# Allegro board AB9.brd (continued)
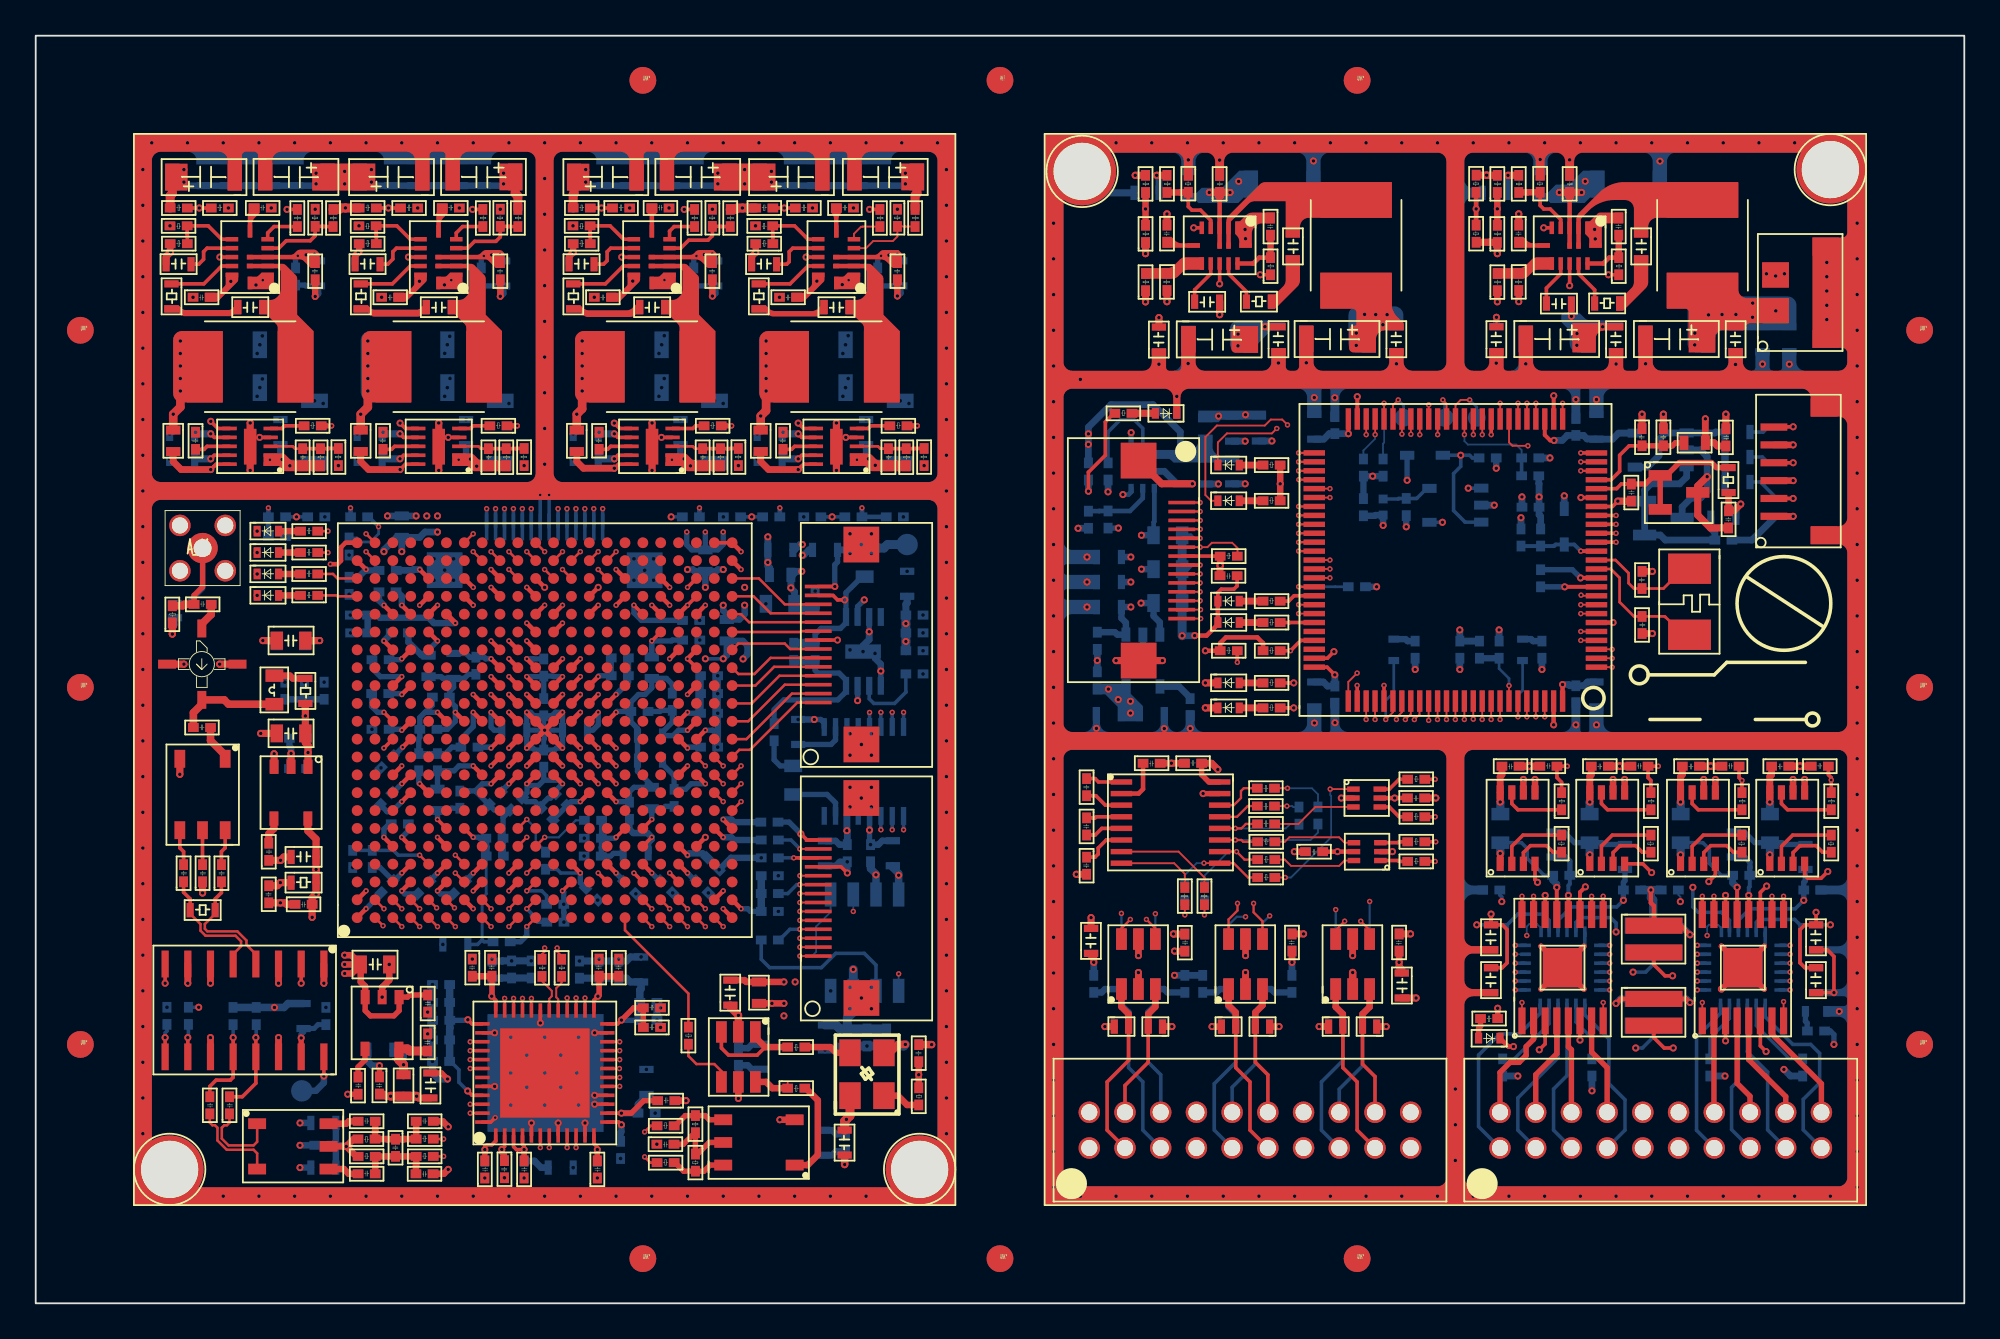
[diagram p0: board, top side]
## Routing (per net, layer and track width the routed paths; a pad name or vN(x,y) marks a point on that pad's centre or on a via; arc(x,y) is an arc through that point) (continued)
B_N7119824: length 2
  TOP w0.2: B_U6.1 59.52,29.2 59.33,29.39 B_C39.1
B_N7119928: length 2
  TOP w0.2: B_U6.4 59.39,27.25 59.33,27.19 B_C41.1
B_N7119940: length 2.8
  TOP w0.25: B_C29.1 62.01,28.8 61.76,28.55 B_U6.2
B_N7119964: length 2.2
  TOP w0.2: B_U6.3 59.9,27.9 59.37,28.43 B_C39.2
B_N7119992: length 2.5
  TOP w0.2: B_U6.6 59.95,25.95 59.5,25.5 59.5,25.16 59.33,24.99 B_C43.1
B_N7120000: length 2.1
  TOP w0.2: B_U6.5 59.7,26.6 59.33,26.23 B_C41.2
B_N7132397: length 2.7
  TOP w0.127: B_R31.1 67.65,28.85 67.49,28.69 67.49,28.3 67.09,27.9 B_U6.14
B_N7132401: length 5.8
  TOP w0.1: B_R49.1 65.45,23.85 64,25.3 B_U6.7
B_N7132405: length 2.4
  TOP w0.127: B_U6.13 67.27,27.25 67.87,27.85 B_R36.1
B_N7132409: length 4.6
  TOP w0.1: B_U6.8 63.75,24.65 64.35,24.05 B_R48.1
B_N7303093: length 7.5
  TOP w0.127: B_U6.11 v1(67.18,25.95) 67.52,25.95 67.62,25.85 B_R39.2
  BOTTOM w0.1: B_R71.2 71.81,26.37 71.39,25.95 v1(67.18,25.95)
B_N7303131: length 5.1
  TOP w0.127: B_R45.2 67.69,24.85 v1(67.25,25.3) B_U6.10
  BOTTOM w0.1: B_R75.2 65.46,23.97 66.8,25.3 v1(67.25,25.3)
B_N7303158: length 5.9
  TOP w0.127: B_U6.12 v1(67.18,26.6) 67.52,26.6 67.77,26.85 B_R38.2
  BOTTOM w0.1: v1(67.18,26.6) 70,26.6 70.24,26.84 B_R72.1
B_N7303185: length 5.2
  TOP w0.1: B_U6.9 66.3,24.65 v1(65.42,24.65)
  TOP w0.127: B_R47.2 67.89,23.85 67.09,24.65 B_U6.9
  BOTTOM w0.1: B_R76.1 64.34,23.99 65.01,24.65 v1(65.42,24.65)
B_N7362382: length 1.3
  TOP w0.4: B_R19.1 B_D1.2
B_N7767499: length 2.9
  TOP w0.1: v1(80.3,50.6) 79.8,50.6 79.51,50.31 B_U4.38
  BOTTOM w0.15: v1(80.3,50.6) 80.7,50.2 B_TP5.1
B_N7936310: length 1.3
  TOP w0.38: B_R25.2 B_D5.2
B_N7936621: length 1.3
  TOP w0.38: B_R24.2 B_D4.2
B_N7936920: length 1.3
  TOP w0.38: B_D6.2 B_R28.2
B_N7937230: length 1.3
  TOP w0.38: B_D7.2 B_R29.2
B_N8000304: length 2.3
  TOP w0.1: v1(76.3,50.6) 76.01,50.31 B_U4.45
  BOTTOM w0.15: B_TP6.1 76.6,50.3 v1(76.3,50.6)
B_N8000357: length 2.2
  TOP w0.1: v1(78.8,50.6) 79.01,50.39 B_U4.39
  BOTTOM w0.15: B_TP7.1 78.9,50.5 v1(78.8,50.6)
B_N8196940: length 4
  TOP w0.2: B_R3.2 64.55,61.43 64.75,61.23 65.23,61.23 65.8,60.66 B_U1.4
  TOP w0.36: B_R3.2 64.12,62.23 64.11,62.22 B_R2.1
B_N8196944: length 10.1
  TOP w0.2: 62.15,62.31 B_R1.1 ; B_U1.9 v2(66.3,57.1) ; 62.15,60.37 B_R8.2
  TOP w0.36: B_R1.1 v2(62.15,61.3) B_R8.2
  SIGNAL-L3 w0.2: v2(66.3,57.1) 64.37,57.1 63.5,57.97 63.5,59.06 62.15,60.41 v2(62.15,61.3)
B_N8196950: length 3.2
  TOP w0.25: B_U1.11 68.18,58.24 68.51,58.57 B_R11.2
  TOP w0.36: B_C3.2 B_R11.2
B_N8196956: length 7.7
  TOP w0.2: B_R11.1 v2(68.57,57.61) ; v2(64.85,60.24) B_U1.5
  SIGNAL-L4 w0.2: v2(68.57,57.61) 65.19,57.61 64.25,58.56 64.25,59.64 v2(64.85,60.24)
B_N8197004: length 2.6
  TOP w0.2: B_U1.10 66.8,57.66 67.8,56.66 B_R17.1
B_N8197022: length 2.5
  TOP w0.2: B_C9.2 64.9,56.76 65.8,57.66 B_U1.8
B_N8197074: length 2.6
  TOP w0.2: B_R18.1 87.3,56.76 86.4,57.66 B_U2.10
B_N8197146: length 3.9
  TOP w0.2: B_R7.2 84.25,61.49 84.45,61.29 84.81,61.29 85.4,60.7 B_U2.4
  TOP w0.36: B_R6.1 83.53,62.22 83.54,62.23 B_R7.2
B_N8197148: length 10.1
  TOP w0.2: B_U2.9 v2(85.9,57)
  TOP w0.36: B_R10.2 v2(81.85,61.3) B_R5.1
  SIGNAL-L3 w0.2: v2(81.85,61.3) 81.85,60.81 83.41,59.25 83.41,57.65 84.06,57 v2(85.9,57)
B_N8197154: length 2.6
  TOP w0.2: B_C10.2 84.6,56.86 85.4,57.66 B_U2.8
B_N8197176: length 3.1
  TOP w0.25: B_U2.11 87.78,58.24 88.11,58.57 B_R12.2
  TOP w0.36: B_C4.2 B_R12.2
B_N8197194: length 7.5
  TOP w0.2: v2(84.45,60.24) B_U2.5 ; B_R12.1 v2(88.07,57.61)
  SIGNAL-L4 w0.2: v2(88.07,57.61) 84.63,57.61 84.1,58.14 84.1,59.89 v2(84.45,60.24)
B_N8449814: length 5.6
  BOTTOM w0.2: B_U18.5 61.99,49.01 61.52,49.48 60.73,49.48 60.05,48.8 B_R58.2
B_N8449940: length 3.9
  BOTTOM w0.26: B_U18.2 61.99,45.09 61.28,44.38 B_R63.1 59.57,44.38 59.56,44.37 B_R64.2
B_N8934237: length 1.1
  BOTTOM w0.3: B_R83.1 99.2,15.27 99.2,15.7 99.11,15.8 B_D19.2
B_N9041352: length 1.1
  TOP w0.3: B_D14.2 80.8,15.4 80.91,15.51 B_R52.1
B_N9050029: length 1.6
  TOP w0.2: B_U11.3 76.3,25.8 76.35,25.85 B_R40.2
B_N9050033: length 4.7
  TOP w0.1: B_R39.1 69.95,25.85 70.2,26.1 72.99,26.1 73.29,25.8 B_U11.4
B_N9050041: length 1.6
  TOP w0.2: B_R46.2 76.35,24.75 76.3,24.8 B_U11.1
B_N9050045: length 4.7
  TOP w0.1: B_U11.6 73.29,24.8 72.99,24.5 70.3,24.5 69.95,24.85 B_R45.1
B_N9050708: length 1.8
  TOP w0.2: B_R37.2 76.35,27.25 75.8,27.8 B_U5.4
B_N9050712: length 4.8
  TOP w0.1: B_R38.1 70.71,26.85 71.66,27.8 B_U5.3
B_N9050720: length 1.8
  TOP w0.2: B_R30.2 76.35,29.35 75.8,28.8 B_U5.6
B_N9050724: length 8.1
  TOP w0.1: v1(72.49,28.8) B_U5.1 ; B_R47.1 v1(69.97,23.85)
  BOTTOM w0.1: v1(72.49,28.8) 72.49,28.47 72.54,28.42 72.54,26.1 70.3,23.85 v1(69.97,23.85)
B_NFAULT12: length 70.7
  TOP w0.1: v1(69.5,49) 69.22,48.72 66.71,48.72 66.2,48.22 B_D2.1 ; B_U15.8 v1(87.78,16.85) ; v1(74.51,48.66) B_U4.48
  SIGNAL-L8 w0.1: v1(87.78,16.85) 84.65,16.85 83.7,15.9 79.4,15.9 78.7,16.6 78.7,24.1 80.6,26 80.6,29.8 79.39,31.01 69.88,31.01 68.29,32.59 68.29,36.95 69.4,38.06 73.32,38.06 74.2,38.94 74.2,46.84 74.51,47.15 v1(74.51,48.66) 73.8,49.36 71.68,49.36 70.99,48.67 69.83,48.67 v1(69.5,49)
B_NFAULT34: length 74.4
  TOP w0.1: v1(70.1,49.2) 69.8,49.5 69.17,49.5 68.83,49.16 66.15,49.16 65.5,48.52 65.5,45.27 65.82,44.95 B_D3.1 ; B_U4.41 v1(78.01,50.32) ; B_U16.8 v1(97.88,16.9)
  SIGNAL-L8 w0.1: v1(97.88,16.9) 98.64,16.9 99.32,17.57 99.32,20.49 98.49,21.33 98.49,23.16 99.04,23.71 99.04,27.53 96.89,29.68 96.89,45.45 95.57,46.76 93.44,46.76 92.51,47.69 92.51,49.82 90.95,51.38 78.56,51.38 78.01,50.83 v1(78.01,50.32) 78.01,49.98 77.62,49.6 75.08,49.6 74.68,50 71.47,50 70.67,49.2 v1(70.1,49.2)
B_NRST_MCU: length 27.3
  TOP w0.1: B_J3.9 v1(65.21,40.85)
  TOP w0.22: B_U4.14 v1(86.53,42.13)
  SIGNAL-L4 w0.1: v1(65.21,40.85) 70.82,40.85 72.1,42.13 v1(86.53,42.13)
  BOTTOM w0.22: v1(86.53,42.13) 86.16,42.5 B_D16.2 85.11,42.5 85.05,42.44 85.03,42.44 85.01,42.41 B_R65.2 B_C84.2
B_NSLEEP12: length 56
  TOP w0.1: B_U4.47 v1(75.01,48.66) ; B_U15.1 v1(83.23,16.85)
  SIGNAL-L8 w0.1: v1(75.01,48.66) 75.01,47.9 76.08,46.83 76.08,38.62 74.98,37.52 69.97,37.52 69.06,36.61 69.06,33.14 70.58,31.61 79.69,31.61 81.2,30.1 81.2,25.67 79.4,23.87 79.4,17.8 80.12,17.08 83,17.08 v1(83.23,16.85)
  BOTTOM w0.1: v1(75.01,48.66) 75.01,48.42 74.35,47.77 B_R57.1
B_NSLEEP34: length 69.8
  TOP w0.1: v1(75.51,50.41) 75.51,50.36 B_U4.46 ; B_U16.1 v1(93.33,16.85)
  SIGNAL-L8 w0.1: v1(75.51,50.41) 75.51,50.94 76.43,51.86 91.47,51.86 92.52,50.81 94.71,50.81 95.83,49.7 95.83,47.51 97.66,45.68 97.66,32.58 99.81,30.42 99.81,28 101.4,26.41 101.4,21.25 99.84,19.69 99.84,17.13 99,16.3 93.88,16.3 v1(93.33,16.85)
  BOTTOM w0.1: v1(75.51,50.41) 75.51,48.21 75.45,48.15 B_R56.1
B_OSCIN: length 7.5
  TOP w0.15: B_Y1.2 92.26,37.44 91.27,38.44 91.26,38.44 91.23,38.47 B_C28.2 89.5,38.47 88.7,39.28 88.7,40.63 88.2,41.13 B_U4.12
B_OSCOUT: length 6.7
  TOP w0.15: B_Y1.1 92.26,41.14 91.15,40.03 B_C27.2 89.5,40.03 89.2,40.34 89.2,40.9 88.47,41.63 B_U4.13
B_PT100-1: length 22.8
  TOP w0.1: B_U4.31 v1(83.01,50.41)
  TOP w0.2: B_J2.2 v2(98.42,45.08)
  SIGNAL-L7 w0.1: v2(98.42,45.08) 97.44,45.08 95.38,47.14 88.93,47.14 87.13,48.95 83.67,48.95 83.01,49.62 v1(83.01,50.41)
  BOTTOM w0.2: v2(98.42,45.08) 97.5,45.08 96.58,46 B_R61.2
B_PT100-2: length 21.1
  TOP w0.1: B_U4.30 v1(83.51,50.41)
  TOP w0.2: B_J2.4 v2(98.42,47.08)
  SIGNAL-L7 w0.1: v1(83.51,50.41) 83.51,49.81 83.88,49.44 87.49,49.44 89.2,47.73 96.05,47.73 96.7,47.08 v2(98.42,47.08)
  BOTTOM w0.2: v2(98.42,47.08) 97.02,47.08 96.7,47.4 B_R54.2
B_PT100-3: length 20.3
  TOP w0.1: B_U4.29 v1(84.01,50.41)
  TOP w0.2: B_J2.6 97.35,49.09 v2(98.42,49.09)
  SIGNAL-L7 w0.1: v2(98.42,49.09) 96.7,49.09 95.89,48.28 89.42,48.28 87.8,49.91 84.18,49.91 84.01,50.08 v1(84.01,50.41)
  BOTTOM w0.2: v2(98.42,49.09) 97.04,49.09 96.74,48.8 B_R53.2
B_RXD1: length 27.1
  TOP w0.1: v1(70.06,27.85) B_R36.2
  SIGNAL-L3 w0.1: B_J4.4 63.92,9.78 63.92,11.62 65.64,13.34 69.24,13.34 70.26,14.36 70.26,17.23 71.62,18.59 71.62,26.63
  SIGNAL-L3 w0.127: 71.62,26.63 70.41,27.85 v1(70.06,27.85)
  BOTTOM w0.1: v1(70.06,27.85) 70.36,27.85 70.42,27.8 B_R72.2
B_RXD2: length 16.4
  TOP w0.1: B_R48.2 v1(64.35,21.75)
  SIGNAL-L3 w0.127: B_J4.20 59,12.59 60.91,14.5 63.65,14.5 64.59,15.44 64.59,21.51 v1(64.35,21.75)
  BOTTOM w0.1: B_R76.2 64.34,21.76 v1(64.35,21.75)
B_SMTR1_ADEC: length 21.6
  TOP w0.1: v1(78.5,32.7) 78.5,32.7 78.5,33.73
  SIGNAL-L3 w0.1: v1(88.15,20.05) 86.71,21.49 83.28,21.49 82.7,22.07 82.7,22.83 82.22,23.31 79.99,23.31 79.49,23.8 79.49,29.98 78.5,30.97 78.5,32.37 78.5,32.37 v1(78.5,32.7)
  BOTTOM w0.2: B_U26.19 v1(88.15,20.05)
B_SMTR1_DEC0: length 24.2
  TOP w0.1: 80,33.73 v1(80,32.7)
  SIGNAL-L3 w0.1: v1(80,32.7) 80,32.19 80.97,31.23 80.97,27.91 82.71,26.17 88.24,26.17 89.97,24.45 89.97,19.9 88.61,18.55 v1(88.15,18.55)
  BOTTOM w0.2: B_U26.22 v1(88.15,18.55)
B_SMTR1_DEC1: length 25.8
  TOP w0.1: v1(82,32.7) 82,33.73
  SIGNAL-L3 w0.1: v1(82,32.7) 82,32.13 82.66,31.47 82.66,29.02 84.27,27.41 88.74,27.41 91.54,24.61 91.54,19.2 89.89,17.55 v1(88.15,17.55)
  BOTTOM w0.2: B_U26.24 v1(88.15,17.55)
B_SMTR1_DIR: length 18.9
  TOP w0.1: v1(78,32.65) 78,33.73
  SIGNAL-L3 w0.1: v1(83.5,20.6) 80.29,20.6 79,21.89 79,29.71 78,30.7 v1(78,32.65)
  BOTTOM w0.1: B_U26.13 84.3,21.01 84.07,21.24 83.64,21.24 83.5,21.1 v1(83.5,20.6)
B_SMTR1_I0: length 22.9
  TOP w0.1: v1(79,32.7) 79,33.73
  SIGNAL-L3 w0.1: v1(88.15,19.55) 88.47,19.55 89.08,20.16 89.08,21.19 88.36,21.92 88.36,23.57 87.76,24.17 81.93,24.17 80,26.1 80,30.32 79,31.31 v1(79,32.7)
  BOTTOM w0.2: B_U26.20 v1(88.15,19.55)
B_SMTR1_I1: length 23.2
  TOP w0.1: v1(79.5,32.7) 79.5,32.7 79.5,33.73
  SIGNAL-L3 w0.1: v1(88.15,19.05) 88.47,19.05 89.49,20.06 89.49,23.95 87.71,25.73 82.44,25.73 80.53,27.64 80.53,30.85 79.5,31.87 79.5,32.37 79.5,32.37 v1(79.5,32.7)
  BOTTOM w0.2: B_U26.21 v1(88.15,19.05)
B_SMTR1_M0: length 23.1
  TOP w0.1: v1(76.2,32.7) 76.2,32.8 76.5,33.1 76.5,33.73
  SIGNAL-L3 w0.1: v1(76.2,32.7) 76.2,31.19 74.66,29.66 74.66,25.37 75.66,24.37 75.66,20.61 76.51,19.77 77.81,19.77 79.53,18.05 v1(82.85,18.05)
  BOTTOM w0.2: B_U26.8 v1(82.85,18.05)
B_SMTR1_M1: length 20.1
  TOP w0.1: v1(76.7,32.7) 77,33 77,33.73
  SIGNAL-L3 w0.1: v1(82.85,18.55) 80.01,18.55 76.7,21.86 v1(76.7,32.7)
  BOTTOM w0.2: B_U26.9 v1(82.85,18.55)
B_SMTR1_NFAULT: length 28.2
  TOP w0.1: 76,33.73 76,33.73 76,33.1 v1(75.6,32.7)
  SIGNAL-L3 w0.1: v1(75.6,32.7) 75.6,31.22 74.1,29.71 74.1,25.12 75.15,24.07 75.15,19.17 76.14,18.19 78.19,18.19 78.82,17.55 v1(82.85,17.55)
  BOTTOM w0.15: v1(75.6,32.7) 75.6,33.77 76.05,34.22 B_D18.1
  BOTTOM w0.2: B_U26.7 v1(82.85,17.55)
B_SMTR1_NSLEEP: length 24.9
  TOP w0.1: v1(81.5,32.7) 81.5,33.73
  SIGNAL-L3 w0.1: v1(88.15,18.05) 89.73,18.05 91.07,19.4 91.07,24.29 88.58,26.79 84.23,26.79 82.24,28.77 82.24,31.12 81.5,31.86 v1(81.5,32.7)
  BOTTOM w0.2: B_U26.23 v1(88.15,18.05)
B_SMTR1_PWM: length 37.8
  TOP w0.2: B_U4.25 v1(86.53,47.63)
  SIGNAL-L3 w0.1: v1(86.53,47.63) 85.92,47.63 84.96,46.67 84.96,44.04 82.05,41.13 80.49,41.13 78.18,38.82 78.18,33.69 77.6,33.11 77.6,30.04 77.73,29.9 77.73,22.35 80.03,20.05 v1(82.85,20.05)
  BOTTOM w0.2: B_U26.12 v1(82.85,20.05)
B_SMTR1_TOFF_SEL: length 19.2
  TOP w0.1: v1(77.2,32.7) 77.49,32.98 77.49,33.72 77.5,33.73
  SIGNAL-L3 w0.1: v1(77.2,32.7) 77.2,22.11 80.27,19.05 v1(82.85,19.05)
  BOTTOM w0.2: B_U26.10 v1(82.85,19.05)
B_SMTR2_ADEC: length 29.2
  TOP w0.1: B_U4.7 v1(86.53,38.63)
  SIGNAL-L7 w0.1: v1(98.25,20.05) 98.25,20.51 96.6,22.16 96.6,22.91 96.2,23.31 96.2,23.73 93.17,26.75 91.38,26.75 89.96,28.17 89.96,30.38 89.23,31.11 87.38,31.11 86.84,31.64 86.84,33.2 86.29,33.75 85.5,33.75 84.94,34.31 84.94,37.7 85.88,38.63 v1(86.53,38.63)
  BOTTOM w0.2: B_U25.19 v1(98.25,20.05)
B_SMTR2_DEC0: length 27.8
  TOP w0.1: B_U4.1 v1(88.28,35.63)
  SIGNAL-L7 w0.1: v1(88.28,35.63) 88.64,35.63 90.11,34.16 94.82,34.16 97.61,31.37 97.61,29.18 99.5,27.29 99.5,23.99 100.44,23.05 100.44,21.94 99.6,21.1 99.6,19.3 98.85,18.55 v1(98.25,18.55)
  BOTTOM w0.2: B_U25.22 v1(98.25,18.55)
B_SMTR2_DEC1: length 32.3
  TOP w0.1: B_U4.3 v1(88.28,36.63)
  SIGNAL-L7 w0.1: v1(88.28,36.63) 89.01,36.63 90.44,35.19 97.02,35.19 100.07,32.15 100.07,28.66 100.87,27.86 100.87,25.59 101.49,24.97 101.49,19.69 99.35,17.55 v1(98.25,17.55)
  BOTTOM w0.2: B_U25.24 v1(98.25,17.55)
B_SMTR2_DIR: length 26.9
  TOP w0.1: v1(86.53,39.13) B_U4.8
  SIGNAL-L7 w0.1: v1(86.53,39.13) 85.5,39.13 83.67,37.3 83.67,34.59 85.67,32.59 85.67,31.39 87.62,29.44 87.62,28.57 92.1,24.09 92.1,23.2 93.6,21.7 v1(93.6,20.6)
  BOTTOM w0.1: v1(93.6,20.6) 93.6,21.1 93.7,21.2 94.21,21.2 94.4,21.01 B_U25.13
B_SMTR2_I0: length 29
  TOP w0.1: B_U4.5 v1(86.53,37.63)
  SIGNAL-L7 w0.1: v1(86.53,37.63) 86.2,37.63 85.56,36.99 85.56,35.61 88.35,32.81 93.67,32.81 94.96,31.53 94.96,29.34 98.38,25.92 98.38,21.05 98.68,20.75 98.68,19.66 98.57,19.55 v1(98.25,19.55)
  BOTTOM w0.2: B_U25.20 v1(98.25,19.55)
B_SMTR2_I1: length 29.6
  TOP w0.1: B_U4.4 v1(86.53,37.13)
  SIGNAL-L7 w0.1: v1(86.53,37.13) 86.21,36.81 86.21,35.82 88.36,33.67 94.38,33.67 96.7,31.34 96.7,29.25 99,26.95 99,23.65 99.69,22.97 99.69,22.59 99.1,22 99.1,19.5 98.65,19.05 v1(98.25,19.05)
  BOTTOM w0.2: B_U25.21 v1(98.25,19.05)
B_SMTR2_M0: length 24.3
  TOP w0.1: 83.5,33.73 v1(83.5,32.85)
  SIGNAL-L7 w0.1: v1(93.05,18.05) 92.67,18.05 92.33,17.71 91.14,17.71 90.54,18.31 90.54,22.33 88.49,24.38 85.72,24.38 83.91,26.19 83.91,27.76 82.4,29.27 82.4,31.26 83.5,32.36 v1(83.5,32.85)
  BOTTOM w0.2: B_U25.8 v1(93.05,18.05)
B_SMTR2_M1: length 21.2
  TOP w0.1: 84,33.73 v1(84,32.85)
  SIGNAL-L7 w0.1: v1(93.05,18.55) 92.36,18.55 91.2,19.71 91.2,23.35 90.9,23.66 90.01,23.66 89.71,23.95 89.71,24.46 87.59,26.59 86.15,26.59 84.67,28.07 84.67,30.67 84,31.33 v1(84,32.85)
  BOTTOM w0.2: B_U25.9 v1(93.05,18.55)
B_SMTR2_NFAULT: length 28.5
  TOP w0.1: v1(83,32.85) 83,33.73
  SIGNAL-L7 w0.1: v1(93.05,17.55) 92.82,17.32 90.93,17.32 90.1,18.15 90.1,22.12 88.38,23.85 85.15,23.85 83.22,25.77 83.22,27.73 81.88,29.06 81.88,31.4 83,32.52 v1(83,32.85)
  BOTTOM w0.1: 83.26,36.05 B_D17.1
  BOTTOM w0.15: v1(83,32.85) 83,33.18 83,33.19 83,34.06 83.26,34.32 B_D17.1
  BOTTOM w0.2: B_U25.7 v1(93.05,17.55)
B_SMTR2_NSLEEP: length 30.3
  TOP w0.1: B_U4.2 v1(88.28,36.13)
  SIGNAL-L7 w0.1: v1(88.28,36.13) 88.86,36.13 90.27,34.72 96.11,34.72 99.56,31.27 99.56,28.14 100.25,27.45 100.25,25.44 101.02,24.67 101.02,20.86 100.14,19.98 100.14,19.05 99.15,18.05 v1(98.25,18.05)
  BOTTOM w0.2: B_U25.23 v1(98.25,18.05)
B_SMTR2_PWM: length 43.5
  TOP w0.1: B_U4.26 v1(85.51,50.41)
  SIGNAL-L3 w0.1: v1(85.51,50.41) 85.51,49.88 87.39,47.99 87.39,44.32 83.32,40.24 83.32,34.45 84.02,33.75 85.14,33.75 85.62,33.27 85.62,31.26 84.89,30.53 84.89,29.56 85.42,29.03 87.21,29.03 88.19,28.05 90.42,28.05 92.88,25.59 92.88,24.82 92.15,24.09 92.15,23.19 92.68,22.65 92.68,21.88 92.02,21.22 92.02,20.26 92.24,20.05 v1(93.05,20.05)
  BOTTOM w0.2: B_U25.12 v1(93.05,20.05)
B_SMTR2_TOFF_SEL: length 20
  TOP w0.1: 84.5,33.73 v1(84.5,32.85)
  SIGNAL-L7 w0.1: v1(84.5,32.85) 84.5,31.59 85.18,30.91 85.18,28.43 86.42,27.2 87.85,27.2 90.14,24.91 90.58,24.91 91.6,23.89 91.6,20.11 92.66,19.05 v1(93.05,19.05)
  BOTTOM w0.2: B_U25.10 v1(93.05,19.05)
B_STEP1A_DRV1: length 9.4
  BOTTOM w0.2: B_J5.4 89,9.7 89,11.4 88.1,12.3 88.1,14.8 86.75,16.15 B_U26.1
B_STEP1A_DRV2: length 8.8
  BOTTOM w0.2: B_U26.3 85.75,12.75 85,12 85,9.7 B_J5.3
B_STEP1B_DRV1: length 10.6
  BOTTOM w0.2: B_J5.1 80.8,9.9 80.8,13.9 81.99,15.09 83.1,15.09 84.25,16.24 B_U26.6
B_STEP1B_DRV2: length 9.4
  BOTTOM w0.2: B_J5.2 83,9.7 83,11.5 85.25,13.75 B_U26.4
B_STEP2A_DRV1: length 10.7
  BOTTOM w0.2: B_U25.1 96.85,16.05 98.4,14.5 99.4,14.5 99.9,14 99.9,12.34 98.98,11.42 98.98,9.72 B_J5.10
B_STEP2A_DRV2: length 9
  BOTTOM w0.2: B_J5.9 96.99,9.71 96.99,12.95 95.85,14.09 B_U25.3
B_STEP2B_DRV1: length 9
  BOTTOM w0.2: B_J5.7 93.01,9.69 93.01,14.9 94.35,16.24 B_U25.6
B_STEP2B_DRV2: length 8.7
  BOTTOM w0.2: B_J5.8 94.97,9.73 94.97,12.09 95.35,12.47 B_U25.4
B_SWCLK: length 14.6
  TOP w0.1: 73.5,33.73 73.5,34.8 v1(74,35.3) ; B_J3.14 v1(65.24,38.35)
  TOP w0.2: B_R26.1 v1(67.29,35.9)
  SIGNAL-L7 w0.1: v1(65.24,38.35) 66.45,38.35 66.8,38 66.8,36.06 66.96,35.9 v1(67.29,35.9) 73.4,35.9 v1(74,35.3)
B_SWDIO: length 9.8
  TOP w0.1: B_J3.13 v1(65.23,38.85)
  TOP w0.2: B_R27.1 v1(70.27,36.55) 70.85,37.13 B_U4.72
  SIGNAL-L7 w0.1: v1(65.23,38.85) 68.95,38.85 70.27,37.53 v1(70.27,36.55)
B_TXD1: length 27.6
  TOP w0.1: B_R31.2 v1(70.1,28.85)
  SIGNAL-L3 w0.127: v1(70.1,28.85) 70.44,28.85 72.28,27.01 72.28,18.28 71.03,17.03 71.03,14.03 69.4,12.4 65.91,12.4 65,11.49 B_J4.17
  BOTTOM w0.1: v1(70.1,28.85) 71.47,28.85 71.81,28.51 B_R71.1
B_TXD2: length 18.5
  TOP w0.1: B_R49.2 v1(65.45,21.75)
  SIGNAL-L3 w0.127: B_J4.1 59.96,9.66 59.96,12.2 61.53,13.78 63.94,13.78 65.2,15.04 65.2,21.5 v1(65.45,21.75)
  BOTTOM w0.1: B_R75.1 65.46,21.77 v1(65.45,21.75)
B_VBAT_ADC: length 8.6
  TOP w0.2: B_U4.34 v1(81.51,48.66)
  SIGNAL-L3 w0.2: v1(81.51,48.66) 81.51,47.87 80.22,46.58 v2(80.22,45.66) 80.22,44.76 79.2,43.75 v2(78.78,43.75)
  BOTTOM w0.2: B_U19.4 v2(78.78,43.75) ; 80.95,45.66 v2(80.22,45.66)
B_VBAT_IN: length 7.4
  TOP w0.4: v2(86.57,62.22) B_C2.1 v2(85.32,62.22) ; B_R5.2 81.26,63.18 v2(81.25,63.19) B_R4.1 ; B_R1.2 v2(61.57,63.18) ; B_R2.2 v2(62.77,63.18) ; v2(66.88,62.22) B_C1.1 v2(65.72,62.22) ; B_R6.2 v2(82.45,63.18)
  BOTTOM w0.38: v2(82.45,63.18) 82.45,62.73 82.4,62.68 B_C57.2 ; v2(62.77,63.18) 62.9,63.05 B_C58.2
  vias: v2(67.37,62.84) v2(86.77,62.85)
B_VMTR: length 41
  TOP w0.22: B_U15.12 v2(85.83,22.85) ; B_U16.12 v2(95.93,22.85)
  TOP w0.3: B_R52.2 v2(81.87,16.53)
  PWR-L6 w0.38: v2(85.83,22.85) 85.83,23.36 86.1,23.64 86.1,23.79 86.48,24.17 88.51,24.17 89.28,24.93 91.02,24.93 91.61,24.34 95.82,24.34 96.2,23.97 96.2,23.11 v2(95.93,22.85)
  PWR-L6 w0.5: v2(85.83,22.85) 85.83,22 85.4,21.57 85.4,15.77 ; 85.4,15.77 82.63,15.77 v2(81.87,16.53) ; 85.4,15.77 87.31,15.77 88.11,14.97 88.11,13.43 89.11,12.42 89.11,11.59 B_J5.16
  BOTTOM w0.22: v2(85.83,22.85) 85.83,23.4 85.91,23.48 B_C112.1 ; v2(95.93,22.85) 95.93,23.28 95.99,23.34 B_C111.1
  BOTTOM w0.3: B_C107.1 95.7,25 96,24.7 96,24.41 95.99,24.4 B_C111.1 ; B_C112.1 85.91,24.77 85.68,25 B_C108.1
B_VREF_2V5: length 10
  TOP w0.2: B_C24.2 88.79,45.89 88.53,45.63 B_U4.21
  TOP w0.3: B_U3.1 B_U3.2 ; B_U3.1 91.32,46.37 92.05,47.09 93.84,47.09 94.12,46.81 B_R21.2 ; B_U3.1 90.62,46.37 90.14,45.89 B_C24.2
B_VSMTR: length 45.1
  PWR-L6 w0.5: 93.09,15.38 92.06,15.38 90.43,17.01 90.43,21.05 v2(88.91,22.57) ; 93.09,15.38 93.51,15.8 98.24,15.8 ; 93.09,15.38 93.09,12.78 92,11.69 B_J5.15 ; 98.24,15.8 99.52,17.08 99.52,20.32 98.5,21.34 98.5,22.06 v2(99.01,22.57) ; 98.24,15.8 99.54,14.5 v2(100.7,14.5)
  BOTTOM w0.2: B_U26.15 85.25,21.45 86,22.2 88.54,22.2 v2(88.91,22.57) ; v2(99.01,22.57) 98.54,22.1 96,22.1 95.35,21.45 B_U25.15
  BOTTOM w0.3: v2(88.91,22.57) B_C114.1 88.91,23.58 89,23.67 B_C110.1 ; B_C109.1 99.1,23.67 99.01,23.58 B_C113.1 v2(99.01,22.57) ; v2(100.7,14.5) 100.7,15.05 100.5,15.25 B_R83.2
Net_91: length 0.9
  TOP w0.1: v1(86.54,39.67) 86.58,39.63 87.4,39.63
